# KiCad board EBAZ4205.kicad_pcb (continued)
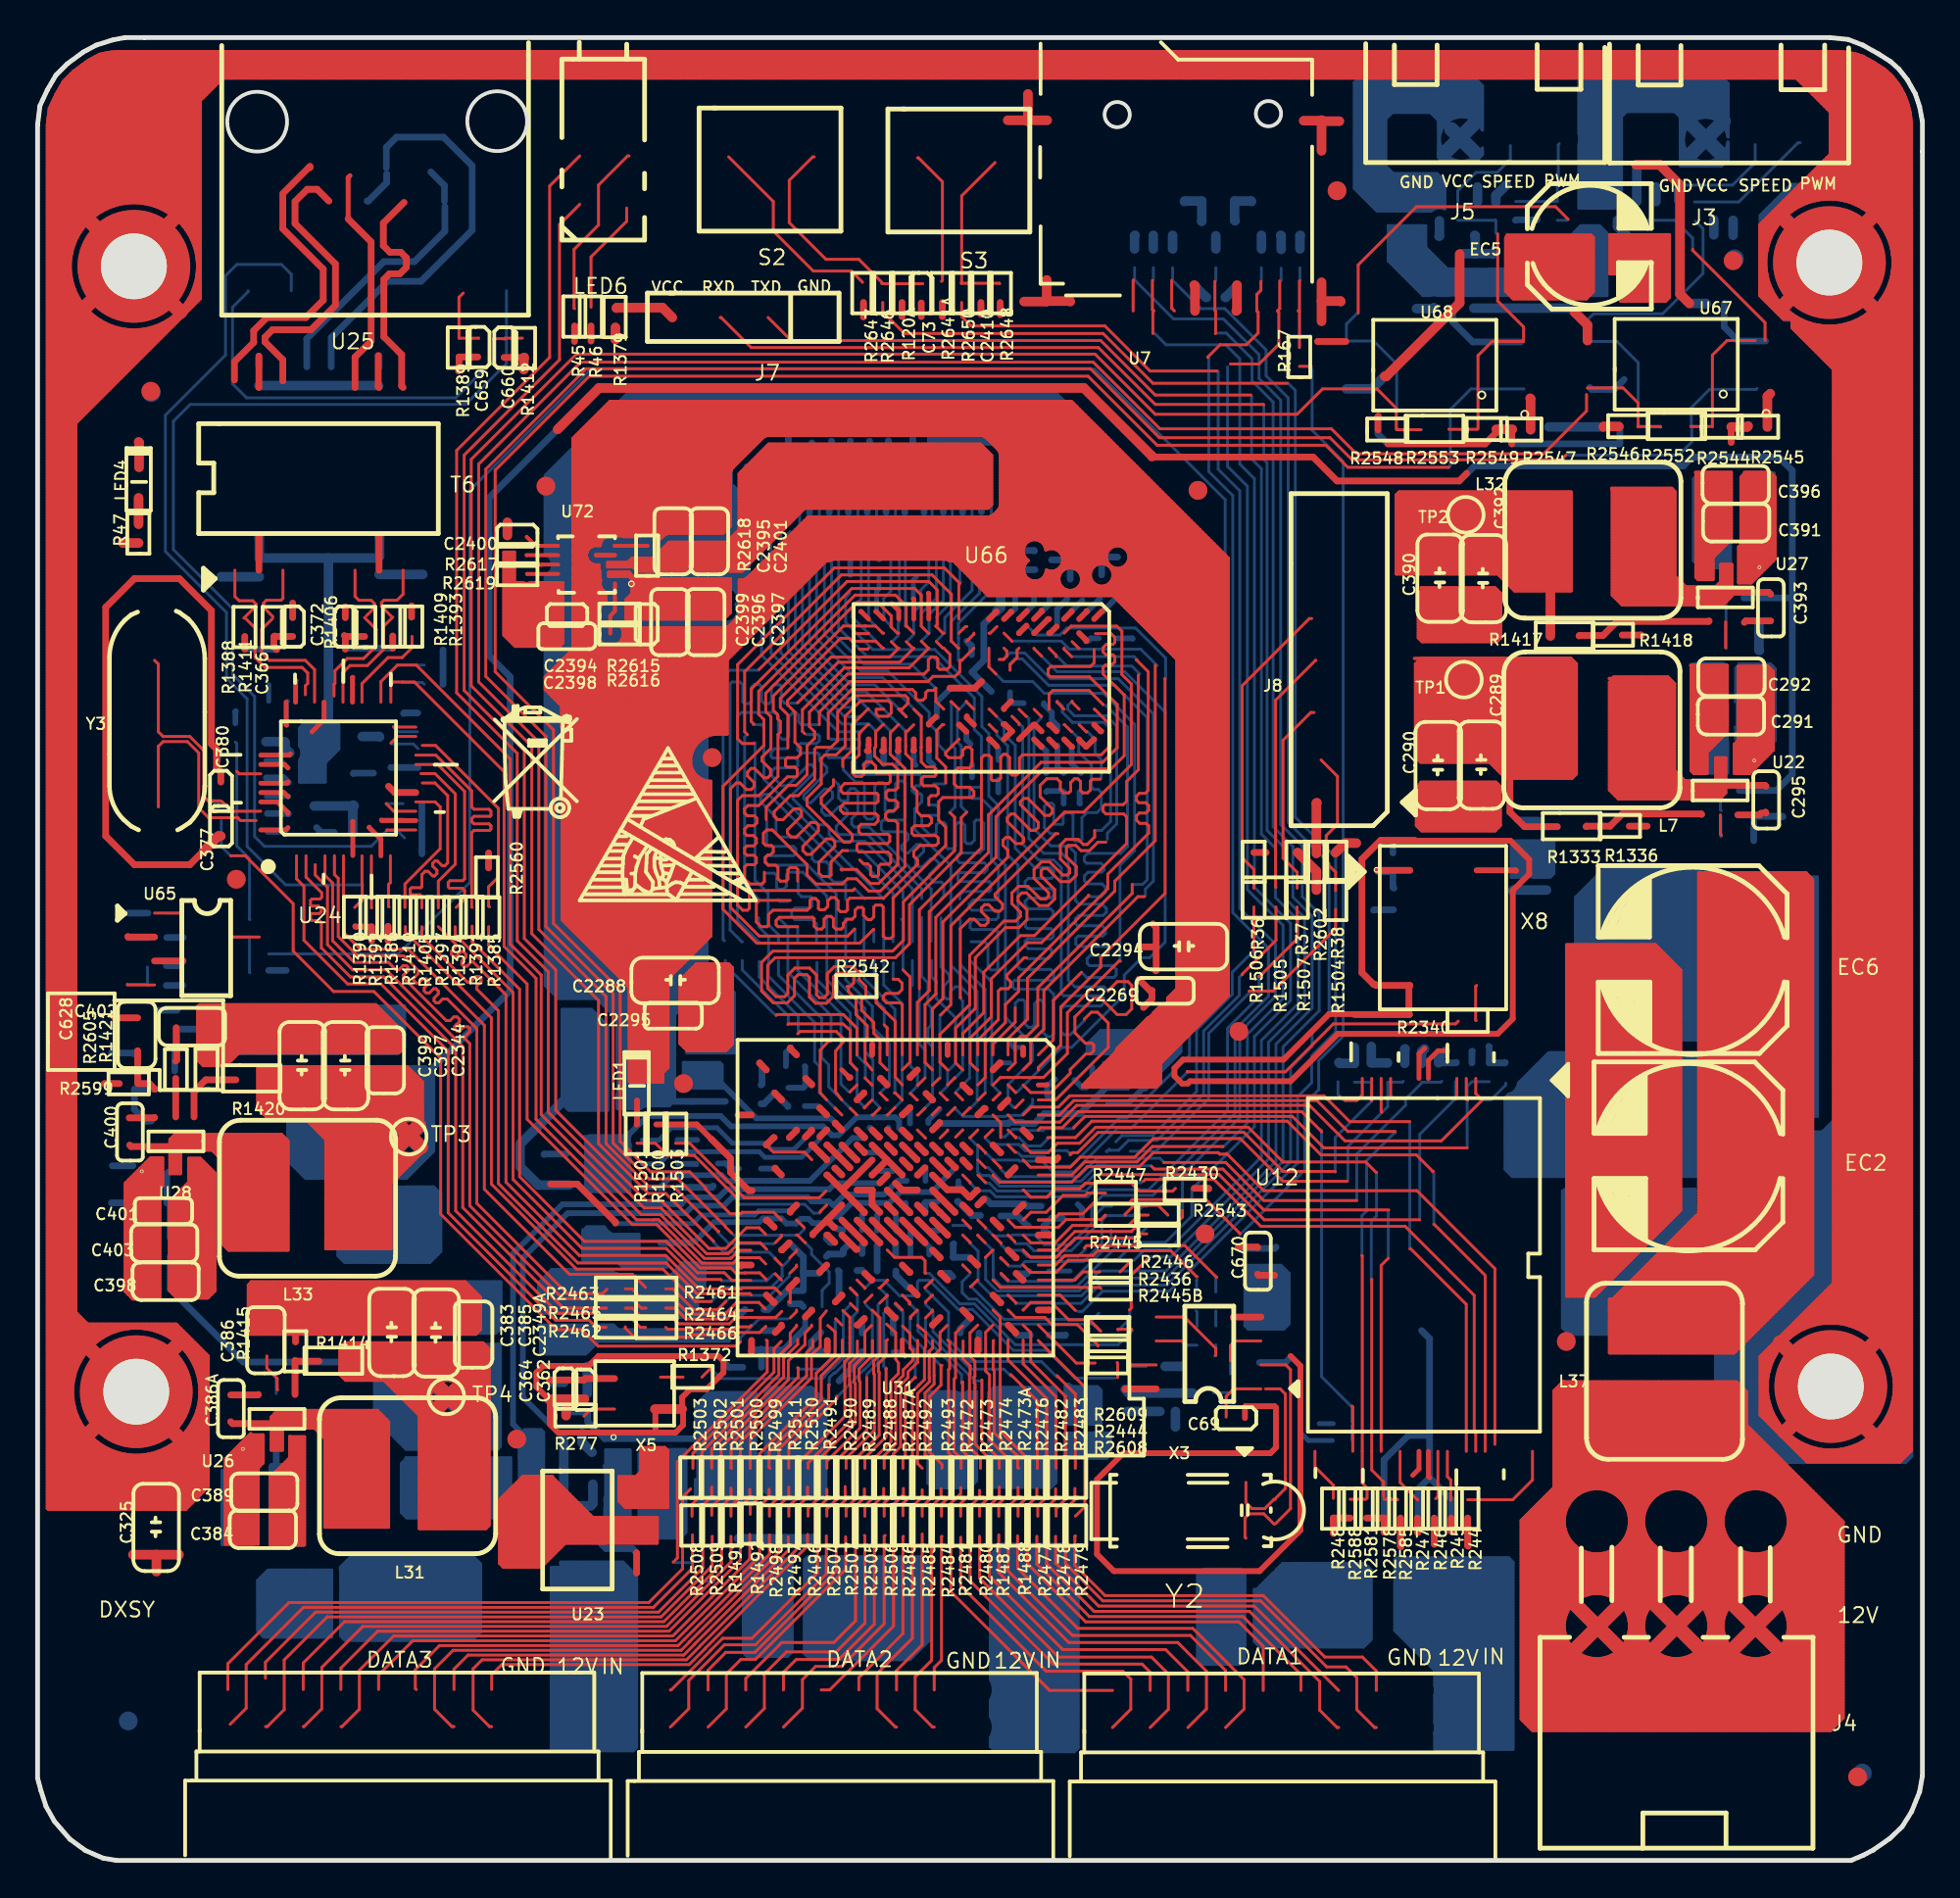
[diagram p0: board, top side]
## Routing (per net, layer and track width the routed paths; a pad name or vN(x,y) marks a point on that pad's centre or on a via; arc(x,y) is an arc through that point) (continued)
9.96,91.84 ; 46.32,66.08 46.32,66.87 ; 2.89,48.15 52.25,48.15 ; 44.39,37.61 45.21,37.61 ; 2.81,72.79 8.27,72.79 ; 57.12,22.84 57.12,25.53 ; 2.93,34.31 8.18,34.31 ; 9.28,84.98 74.24,84.98 ; 47.72,45.2 47.72,55.92 ; 46.96,0.54 46.96,6.56 ; 60.8,0.53 60.8,6.24 ; 52.65,7.13 56.27,7.13 ; 13.65,54.76 18.19,54.76 ; 70.33,69.86 70.33,70.61 ; 49.24,72.79 50.21,72.79 ; 25.37,0.54 25.37,6.66 ; 65.12,9.97 65.12,46.68 ; 5.87,77.74 64.28,77.74 ; 34.58,6.88 34.78,6.88 ; 9.28,86.51 58.01,86.51 ; 42.64,0.54 42.64,12.65 ; 48.51,72.16 48.89,72.16 ; 71.1,60.6 73.58,60.6 ; 52.04,41.27 52.04,44.98 ; 62.58,81.66 62.58,83.66 ; 9.49,7.81 9.49,8.42 ; 55.34,66.73 55.34,68.16 ; 46.07,29 46.07,29.46 ; 18.38,10 18.38,13.87 ; 8.35,33.28 8.35,33.59 ; 72.13,34.95 81.21,34.95 ; 60.77,86.63 62.34,86.63 ; 47.34,91.46 47.34,94.85 ; 44.34,37.49 45.26,37.49 ; 52.44,28.09 57.87,28.09 ; 27.78,27.73 27.78,75.8 ; 68.3,64.8 68.3,65.53 ; 75.43,73.93 75.67,73.93 ; 44.04,31.64 44.04,32.48 ; 43.85,51.84 57.87,51.84 ; 29.07,27.58 37.01,27.58 ; 38.52,7.51 38.86,7.51 ; 35.66,33.31 35.66,38.06 ; 68.86,71.01 69.79,71.01 ; 13.22,93.62 22.91,93.62 ; 21.43,25.47 21.43,64.06 ; 48.85,56.03 49.13,56.03 ; 27.88,75.84 84.12,75.84 ; 41.24,75.17 41.24,81.21 ; 26.31,92.35 56.69,92.35 ; 50.53,62.5 59.87,62.5 ; 26.64,66.61 26.64,96.32 ; 21.56,0.54 21.56,6.42 ; 6.32,0.55 6.32,17.5 ; 10.51,49.47 10.51,53.18 ; 50.68,37.36 51.06,37.36 ; 87.83,48.92 93.14,48.92 ; 14.19,84.17 14.19,89.22 ; 52.42,48.39 52.42,60.56 ; 75.66,0.53 75.66,6.24 79.66,6.24 ; 66.39,7.47 66.39,8.65 ; 53.94,33.65 53.94,38.13 ; 49.76,8.15 51.68,8.15 ; 67.15,14.48 67.15,14.73 ; 44.8,59.42 44.8,59.75 ; 56.48,57.94 56.48,59.72 ; 35.4,44.37 35.4,67.32 ; 45.69,33.28 45.69,34.1 ; 36.93,37.24 36.93,46.1 ; 38.7,63.65 38.7,72.16 ; 39.97,33.24 39.97,34.11 ; 29.05,33.68 29.05,40.24 ; 2.85,59.96 14.22,59.96 ; 32.18,91.33 36.05,91.33 ; 44.42,47.5 44.42,49.16 ; 51.91,9.98 51.91,22.3 ; 2.81,71.78 8.27,71.78 ; 44.04,38.82 44.04,39.7 ; 19.41,15.01 65.55,15.01 ; 17.62,52.11 17.62,70.75 ; 45.32,59.2 46.23,59.2 ; 72.61,7.75 72.61,8.37 ; 50.01,75.13 50.01,94.57 ; 89,62.29 89,69.96 ; 36.42,24.69 36.42,29.41 ; 9.3,95.27 43.38,95.27 ; 53.82,41.68 53.82,59.08 ; 54.71,60.31 54.71,61.51 ; 31.02,80.67 78.55,80.67 ; 47.53,72.28 47.82,72.28 ; 87.82,51.84 93.14,51.84 ; 45.26,75.2 49.12,75.2 ; 71.43,68.6 72.26,68.6 ; 80.57,34.31 73.88,34.31 73.88,36.64 ; 15.11,89.43 15.88,89.43 ; 23.08,9.04 23.24,9.04 ; 36.37,87.02 41.66,87.02 ; 46.57,74.82 46.81,74.82 ; 44.59,7.39 44.83,7.39 ; 44.33,82.06 47.77,82.06 ; 43.15,7.84 43.15,8.33 ; 58.77,8.23 58.77,7.89 57.64,7.89 ; 72.29,34.69 80.96,34.69 ; 72.63,69.87 88.27,69.87 ; 28.8,27.76 28.8,40.95 ; 65.45,84.22 65.73,84.22 ; 17.75,9.94 17.75,13.81 ; 46.03,35.96 49.28,35.96 ; 43.66,41.79 43.66,49.23 ; 45.89,46.76 46.76,46.76 ; 46.32,9.77 46.32,26.5 ; 59.02,51.67 59.02,81.05 ; 48.61,59.25 48.61,61.28 ; 66.64,0.53 66.64,6.35 ; 39.97,72.76 39.97,74.42 ; 43.91,33.26 43.91,34.12 ; 64.23,46.58 64.23,46.78 ; 52.04,9.95 52.04,22.28 ; 49.25,72.79 49.25,74.43 ; 52.93,89.48 52.93,94.27 ; 6.57,41.27 6.57,44.88 ; 62,9.55 62.43,9.55 ; 44.42,75.11 44.42,87.23 ; 13.06,9.16 13.21,9.16 ; 13.56,7.85 13.56,8.37 ; 70.04,36.34 70.98,36.34 ; 2,3.2 79.67,3.2 ; 46.83,46.78 46.83,58.76 ; 60.17,86.82 60.17,94.28 ; 84.87,52.6 86.39,52.6 ; 46.69,58.69 48.05,58.69 ; 9.28,84.09 10.45,84.09 ; 19.47,89.94 19.69,89.94 ; 90.65,44.2 90.65,77.15 ; 42.23,90.32 45.9,90.32 ; 88.49,60.25 88.49,61.51 ; 2.86,55.27 13.06,55.27 ; 66.14,7.23 66.14,8.89 ; 53.44,64.49 53.44,68.54 ; 56.89,66.19 67.18,66.19 ; 2.83,63.9 19.62,63.9 ; 70.12,8.78 70.35,8.78 ; 22.4,87.78 28,87.78 ; 44.67,41.15 44.67,41.27 ; 89.76,43.33 89.76,54.21 ; 24.99,84.48 24.99,90.78 ; 50.9,38.69 50.9,40.63 ; 44.46,7.64 44.95,7.64 ; 65.96,7.64 66.49,7.64 ; 59.76,47.65 93.15,47.65 ; 52,64.54 55.7,64.54 ; 27.15,0.54 27.15,19.75 ; 48.61,37.19 48.61,37.36 ; 40.23,52.45 40.23,58.97 ; 46.45,65.2 46.45,65.4 ; 51.61,37.87 51.69,37.87 ; 49.5,38.85 49.5,39.68 ; 46.2,38.8 46.2,40.53 ; 61.65,7.89 62.78,7.89 ; 62.33,87.14 72.09,87.14 ; 44.33,32.66 45.28,32.66 ; 36.14,89.43 41.89,89.43 ; 51.53,65.13 51.53,87.13 ; 28.42,81.21 28.42,87.33 ; 31.97,91.51 31.97,96.32 ; 72.87,32.91 72.87,38.96 ; 46.36,47.65 55.42,47.65 ; 36.5,33.8 36.7,33.8 ; 23.43,84.09 24.2,84.09 ; 67.66,57.13 67.66,58 ; 38.07,9.92 38.07,26.69 ; 72.11,7.39 72.37,7.39 ; 43.18,58.44 67.23,58.44 ; 36.88,45.49 51.65,45.49 ; 72.24,31.9 79.56,31.9 ; 51.63,36.98 58.88,36.98 ; 34.56,7.39 34.8,7.39 ; 75.28,61.74 75.64,61.74 ; 42.52,12.59 42.93,12.59 ; 73.38,17.84 73.38,27.92 ; 60.11,6.88 60.3,6.88 ; 23.15,84.35 24.48,84.35 ; 67.53,69.72 67.53,70.75 ; 9.29,91.46 10.17,91.46 ; 43.28,61.73 43.28,65.08 ; 45.31,29.85 45.31,32.63 ; 52.29,29.36 54.85,29.36 ; 42.9,30.65 42.9,36.66 ; 70,8.53 70.47,8.53 ; 23.28,26.44 23.73,26.44 ; 49.87,31.77 50.23,31.77 ; 63.09,31.25 63.09,37.61 ; 49.75,34.85 49.75,35.72 ; 36.55,45.73 36.55,45.95 ; 48.48,34.65 48.48,36.73 ; 62.96,38.38 62.96,78.93 ; 22.36,88.92 28.33,88.92 ; 50.64,60.17 50.64,60.81 ; 12.29,8.04 12.29,8.19 ; 14.19,10.03 14.19,16.75 ; 50.52,75.12 50.52,90.16 ; 50.08,6.24 51.37,6.24 ; 67.96,7.64 68.5,7.64 ; 52,61.36 54.05,61.36 ; 47.34,33.28 47.34,34.11 ; 38.16,8.28 39.22,8.28 ; 43.15,0.54 43.15,6.36 ; 73.51,70.12 88.21,70.12 ; 59.66,81.52 59.66,83.89 ; 20.92,9.62 20.92,24.62 ; 50.87,63.52 49.25,63.52 49.25,62.01 ; 47.05,25.93 50.08,25.93 ; 51.53,64.09 51.53,64.67 ; 19.17,59.33 37.75,59.33 ; 54.31,65.3 93.1,65.3 ; 68.17,59.76 68.17,60.44 ; 9.11,0.55 9.11,17.85 ; 86.46,51.1 86.46,51.76 ; 68.77,70.89 69.88,70.89 ; 18.13,80.49 18.13,87.61 ; 36.58,9.29 36.78,9.29 ; 48.86,65.17 48.86,67.64 ; 49.12,75.2 49.12,94.67 ; 75.92,9.7 75.92,37.57 ; 70.14,6.88 70.33,6.88 ; 74.9,43.49 74.9,60.57 ; 10.12,20.34 25.91,20.34 ; 64.87,9.91 64.87,46.23 ; 64.97,78 89.78,78 ; 44.42,66.05 44.42,66.14 ; 11.53,94.41 11.53,96.32 ; 89.25,42.83 89.25,54.39 ; 18.76,8.4 19.54,8.4 ; 38.9,55.77 48.16,55.77 ; 38.45,59.67 38.45,60.25 ; 49.37,34.78 49.37,35.82 ; 21.32,72.16 38.71,72.16 ; 49.88,40.35 49.88,62.56 ; 34.51,81.55 35.59,81.55 ; 44.55,49.16 44.55,47.52 45.67,47.52 ; 47.47,91.36 47.47,94.84 ; 45.18,75.22 45.18,86.72 ; 2.87,53.11 10.11,53.11 ; 48.26,41.17 48.62,41.17 ; 44.23,37.36 45.37,37.36 ; 21.4,90.57 27.94,90.57 ; 7.84,34.13 7.84,46.2 ; 51.39,38.88 51.91,38.88 ; 48.44,39.26 54.84,39.26 ; 47.09,34.85 47.09,36.51 ; 53.69,88.99 53.69,94.19 ; 1.92,11.2 79.64,11.2 ; 46.07,89.43 46.07,90 ; 48.86,46.24 48.86,55.54 ; 2.07,17.29 13.66,17.29 ; 4.98,76.86 70.96,76.86 ; 56.74,60.47 56.74,61.13 ; 2.82,66.95 36.35,66.95 ; 44.17,9.88 44.17,25.31 ; 26,8.04 26,8.19 ; 63.34,26.97 63.34,37.71 ; 66.22,86.89 67.13,86.89 ; 26,65.66 26,66.13 ; 8.35,29.37 8.35,30.19 ; 39.29,72.66 39.78,72.66 ; 49.25,60.43 49.25,61.29 ; 60.93,0.53 60.93,6.19 ; 67.27,86.89 72.34,86.89 ; 5.1,48.92 9.96,48.92 ; 44.55,41.05 44.55,41.37 ; 52.34,25.17 57.49,25.17 ; 76.3,61.65 76.3,62.02 ; 47.59,10 47.59,28.68 ; 70.96,62.21 70.96,63.06 ; 60.42,17.87 60.42,19.33 ; 18.89,15.85 18.89,39.45 ; 36.54,6.75 36.83,6.75 ; 73.12,32.93 73.12,38.94 ; 48.23,43.77 48.23,44.66 ; 42.78,89.56 69.91,89.56 ; 58.01,84.36 58.01,86.46 ; 21.32,71.52 67.15,71.52 ; 87.79,49.93 93.14,49.93 ; 68.74,67.08 69.91,67.08 ; 45.76,64.66 45.89,64.66 ; 69.95,36.46 69.95,40.34 ; 45.56,41.24 45.56,46.51 ; 50.8,38.37 50.88,38.37 ; 24.68,7.89 25.65,7.89 ; 50.58,9.42 50.86,9.42 ; 45.15,40.28 45.29,40.28 ; 64.95,78.13 89.66,78.13 ; 70.71,50.61 70.71,55.37 ; 9.29,92.1 9.87,92.1 ; 27.66,35.83 44.51,35.83 ; 8.35,33.94 8.35,34.1 ; 68.6,64.66 70.05,64.66 ; 22.29,87.65 28.07,87.65 ; 78.71,53.07 78.71,55.01 ; 40.5,61.23 43.08,61.23 ; 67.79,9.79 67.79,51.36 ; 71.34,53.07 71.34,55.37 ; 52.42,22.5 55.87,22.5 ; 15.97,10.01 15.97,70.75 ; 31.34,0.54 31.34,87.23 ; 53.65,63.77 53.95,63.77 ; 13,9.42 13.26,9.42 ; 45.9,38.76 46.15,38.76 ; 67.91,67.35 67.91,68.05 ; 26.95,20.34 33,20.34 ; 47.21,61.2 47.21,64.55 ; 25.91,65.17 26.15,65.17 ; 9.43,18.18 13.14,18.18 ; 57.04,21.48 79.6,21.48 ; 6.45,45.64 6.45,78.31 ; 1.92,11.96 79.64,11.96 ; 67.91,64.81 67.91,65.52 ; 45.1,39.77 45.37,39.77 ; 42.01,13.69 42.01,14.13 ; 35.91,45.73 35.91,67.34 ; 40.48,38.64 40.48,43.61 ; 71.47,71.27 72.35,71.27 ; 16.48,91.03 16.48,96.32 ; 61.06,88.69 61.06,94.58 ; 16.35,88.63 16.35,89.19 ; 39.47,9.97 39.47,29.41 ; 41.88,13.1 41.88,24.87 ; 51.91,31.58 51.91,32.53 ; 51.31,60.35 54.74,60.35 ; 67.15,71.6 67.15,83.68 ; 2.93,34.82 8.44,34.82 ; 45.91,29.36 46.15,29.36 ; 50.52,41.23 50.52,62.48 ; 72.56,72.79 88.33,72.79 ; 9.49,0.55 9.49,6.44 ; 35.78,24.93 35.78,25.84 ; 67.61,13.99 79.63,13.99 ; 48.42,6.5 49.01,6.5 ; 45.18,72.79 45.18,74.43 ; 52.09,9.93 56.89,9.93 ; 14.38,17.17 59.46,17.17 ; 62.53,36.09 69.31,36.09 69.31,9.97 ; 83.66,37.35 83.66,50.64 ; 24.48,81.32 24.48,82.75 ; 11.93,90.7 13.77,90.7 ; 71.52,36.34 74.06,36.34 ; 25.53,82.82 33.17,82.82 ; 67.47,0.53 79.68,0.53 ; 41.24,9.88 41.24,12.4 ; 66.47,17.8 71.43,17.8 ; 1.91,9.16 9.2,9.16 ; 69.31,40.77 69.31,96.07 ; 2.92,38.5 18.92,38.5 ; 46.96,30.77 46.96,30.98 ; 68.91,71.9 69.74,71.9 ; 58.79,48.28 64.36,48.28 ; 53.82,59.47 53.82,60.87 ; 42.77,53.96 42.77,57.84 ; 71.1,64.66 89.45,64.66 ; 55.47,0.53 55.47,28.92 ; 73.38,72.71 73.38,82.21 ; 63.9,9.67 64.53,9.67 ; 44.39,32.91 45.2,32.91 ; 13.43,60.77 13.43,70.75 ; 36.14,29.48 36.33,29.48 ; 14.96,7.56 14.96,8.66 ; 44.93,65.13 44.93,65.48 ; 89.12,72.43 89.12,78.13 ; 53.94,88.5 53.94,94.16 ; 29.78,88.16 30.55,88.16 ; 13.12,64.41 15.99,64.41 ; 49.75,37.26 49.75,38.1 ; 51.49,64.16 53.04,64.16 ; 13.05,7.25 13.05,8.98 ; 41.88,9.98 41.88,12.34 ; 24.1,8.05 24.1,8.17 ; 65.63,6.24 66.82,6.24 ; 52.67,89.52 52.67,94.29 ; 77.44,43.66 77.44,60.8 ; 50.47,7.64 50.97,7.64 ; 75.15,74.54 75.15,84.07 ; 67.28,16.19 67.28,55.82 ; 43.62,36.85 46.03,36.85 ; 69.31,36.21 69.31,36.36 ; 18.87,56.03 47.06,56.03 ; 37.62,34.69 39.68,34.69 ; 71.38,31.01 79.56,31.01 ; 58.64,9.79 58.64,31.78 ; 25.75,84.02 25.75,91.22 ; 49.89,34.18 73.17,34.18 ; 67.35,14.75 79.63,14.75 ; 60.29,9.19 60.29,16.12 ; 58.39,48.96 58.39,51.58 ; 73.08,42.95 74.61,42.95 ; 89.76,72.23 89.76,75.33 ; 68.3,69.87 68.3,70.6 ; 9.28,85.36 73.86,85.36 ; 10.94,61.11 43.16,61.11 ; 68.93,68.6 69.72,68.6 ; 48.57,57.04 67.52,57.04 ; 41.75,72.56 41.75,74.7 ; 13.43,20.18 13.43,47.04 ; 13.03,25.93 22.78,25.93 ; 68.93,66.79 68.93,68.61 ; 17.37,14.41 17.37,15.22 ; 11.53,76.56 11.53,79.79 ; 44.9,38.12 45.5,38.12 ; 10,28.54 10,48.87 ; 16.99,0.55 16.99,6.74 ; 2.81,70.63 11.43,70.63 ; 71.64,52.47 78.34,52.47 ; 69.82,43.57 69.82,53.98 ; 52.34,28.34 57.84,28.34 ; 52.42,7.71 52.42,8.46 ; 70.86,32.28 71.55,32.28 ; 2.83,65.17 25.43,65.17 ; 43.53,53.62 43.53,59.79 ; 45.82,30.01 45.82,32.58 ; 39.09,45.3 39.09,55.16 ; 48.19,7.89 49.24,7.89 ; 13.04,8.91 13.23,8.91 ; 66.67,30.5 79.57,30.5 ; 48.1,0.53 48.1,6.26 ; 88.66,62.12 88.77,62.12 ; 36.08,26.56 40.25,26.56 ; 58.54,52.22 86.46,52.22 ; 67.15,58.93 67.15,61.27 ; 51.02,33.97 51.02,36.55 ; 54.2,69.53 54.2,94.13 ; 76.3,70.76 88.26,70.76 ; 57.17,22.25 79.6,22.25 ; 56.74,7.88 56.74,8.25 ; 17.88,15.81 17.88,70.19 ; 55.3,29.61 57.93,29.61 ; 68.73,55.65 69.65,55.65 ; 48.58,74.7 48.85,74.7 ; 26.39,20.16 26.39,64.52 ; 13.05,20.2 13.05,25.4 ; 46.96,61.24 46.96,64.51 ; 47.21,46.67 47.21,55.84 ; 49.79,40.41 50.33,40.41 ; 15.06,9.16 15.22,9.16 ; 36.82,43.33 39.66,43.33 ; 22.89,9.67 23.43,9.67 ; 33.5,16.09 33.5,19.34 ; 2.82,67.08 36.29,67.08 ; 44.94,30.12 46.3,30.12 ; 43.4,52.11 43.4,53.05 ; 52.18,61.11 52.29,61.11 ; 28.96,6.62 32.88,6.62 ; 59.93,6.5 60.49,6.5 ; 56.1,44.07 56.1,51.02 ; 38.55,9.42 38.83,9.42 ; 46.83,59.4 46.83,60.51 ; 71.34,61.89 71.34,63.38 ; 21.32,72.03 38.82,72.03 ; 70.45,7.57 70.45,8.55 ; 48.61,43.77 48.61,55.39 ; 18.51,59.74 18.51,64.46 ; 36.93,66.8 36.93,66.89 ; 72.6,38.63 84.97,38.63 ; 20.44,6.24 21.87,6.24 ; 47.21,31.67 47.21,32.51 ; 25.75,93.93 25.75,96.32 ; 26.33,92.6 56.56,92.6 ; 29.81,33.68 29.81,80.73 ; 66.9,16 66.9,83.77 ; 42.58,8.78 42.82,8.78 ; 24.64,80.92 28.19,80.92 ; 71.09,67.2 93.1,67.2 ; 42.77,58.61 42.77,72.23 ; 44.17,40.45 44.17,41.28 ; 48.36,0.53 48.36,6.43 ; 50.77,66.77 50.77,89.86 ; 21.48,89.81 28.7,89.81 ; 27.53,7.79 27.53,8.43 ; 19.4,15.91 19.4,37.72 ; 42.05,6.24 43.35,6.24 ; 51.5,31.77 57,31.77 ; 69,71.52 69.65,71.52 ; 57.48,38.63 67.96,38.63 ; 70.07,62.15 70.07,63.12 ; 61.95,7.64 61.95,8.48 ; 9.75,9.95 9.75,18.51 ; 71.47,68.73 72.22,68.73 ; 76.04,72.48 76.04,73.43 ; 62.05,31.26 62.42,31.26 ; 52.63,6.88 56.29,6.88 ; 19.27,39.2 19.27,39.58 ; 26.71,6.37 27.64,6.37 ; 45.44,38.86 45.44,39.73 ; 10.12,19.71 12.85,19.71 ; 64.99,9.95 64.99,46.66 ; 68.92,60.98 69.73,60.98 ; 63.09,26.67 63.09,26.81 ; 38.96,38.79 38.96,40.56 ; 68.42,39.16 68.42,51.52 ; 70.45,9.55 70.45,31.81 ; 65.09,48.28 93.15,48.28 ; 19,15.77 19.16,15.77 ; 71.43,71.14 72.22,71.14 ; 58.77,36.49 58.77,45.01 ; 52.44,40.91 53.65,40.91 ; 35.78,68.08 35.78,81.37 ; 79.47,0.52 79.47,79.74 ; 76.7,62.38 88.06,62.38 ; 56.74,36.81 56.74,37.52 ; 46.96,41.94 46.96,46.01 ; 7.21,0.55 7.21,17.51 ; 2.9,43.07 7.04,43.07 ; 52.4,45.49 58.47,45.49 ; 46.96,34.79 46.96,36.58 ; 44.07,9.93 45.34,9.93 ; 45.94,47.78 45.94,59.83 ; 37.72,27.83 51.74,27.83 ; 49.47,67.97 54.63,67.97 ; 37.94,9.97 37.94,26.68 ; 9.28,87.65 14.84,87.65 ; 60.13,9.16 60.29,9.16 ; 25.73,91.21 28.06,91.21 ; 27.36,27.58 27.53,27.58 ; 46.51,9.55 46.91,9.55 ; 66.52,9.65 66.52,13.1 ; 5.24,77.11 65.1,77.11 ; 87.8,52.85 93.13,52.85 ; 2.88,50.06 4.66,50.06 ; 27.78,76.55 27.78,96.32 ; 40.48,33.14 40.48,33.39 ; 8.86,29.37 8.86,29.95 ; 41.26,74.44 42.03,74.44 ; 50.52,38.88 50.52,39.64 ; 27.02,27.71 27.02,35.72 ; 27.08,8.91 27.27,8.91 ; 10.12,27.96 37.24,27.96 ; 68.55,59.63 68.55,60.57 ; 2.83,64.28 10.68,64.28 ; 71.23,72.16 72.18,72.16 ; 19.42,90.44 19.74,90.44 ; 44.17,72.82 44.17,74.43 ; 52.55,48.44 52.55,60.51 ; 13.71,56.54 18.28,56.54 ; 2.37,2.81 79.67,2.81 ; 81.63,35.97 81.63,74.55 ; 40.3,42.95 69.86,42.95 ; 40.81,51.96 43.16,51.96 ; 64.49,47.23 64.49,48.11 ; 13.06,7.13 13.21,7.13 ; 67.91,7.7 67.91,8.43 ; 43.39,41.3 43.85,41.3 ; 3.78,1.38 3.78,17.48 ; 73.75,8.28 74.74,8.28 ; 50.77,38.69 50.77,39.83 ; 36.8,0.54 36.8,6.83 ; 39.85,75.12 39.85,95.64 ; 70.35,57.93 68.3,57.93 68.3,57.2 ; 90.01,43.58 90.01,64.2 ; 66.14,30.78 66.14,30.91 ; 51.28,63.43 51.28,63.54 ; 60.04,9.46 60.04,16.17 ; 36.58,6.88 36.79,6.88 ; 49.08,37.99 50.22,37.99 ; 5.56,0.55 5.56,17.49 ; 44.39,41.8 44.5,41.8 ; 2.23,17.42 13.77,17.42 ; 43.78,30.84 43.78,30.94 ; 49.97,32.28 50.1,32.28 ; 43.81,87.52 44.24,87.52 ; 40.95,38.12 43.75,38.12 ; 19.19,64.79 21.43,64.79 ; 22.56,88.16 27.92,88.16 ; 41.5,34.85 41.5,38.16 ; 65.56,54 69.81,54 ; 12.42,6.24 13.85,6.24 ; 18.35,79.78 61.95,79.78 ; 40.61,29.2 40.61,32.58 ; 81.5,75.15 81.5,78.18 ; 55.85,33.02 55.85,44.41 ; 55.99,32.28 57.13,32.28 ; 64.1,9.32 64.1,32.98 ; 73.12,0.53 73.12,6.16 ; 57.63,0.53 57.63,6.25 ; 7.84,50.75 7.84,79.7 ; 87.73,41.34 87.73,48.75 ; 45.44,33.26 45.44,34.14 ; 63.95,7.64 64.49,7.64 ; 2.92,39.64 18.39,39.64 ; 61.16,20.47 73.69,20.47 ; 47.34,72.74 47.34,74.43 ; 52.55,89.53 52.55,94.31 ; 49.25,25.84 49.25,28.77 ; 36.35,23.64 51.7,23.64 ; 33.75,83.05 33.75,96.28 ; 1.92,11.7 79.64,11.7 ; 49.37,62.04 49.37,63.62 ; 58.64,51.97 58.64,62.73 ; 39.59,29.72 39.59,31.26 ; 51.23,61.23 51.64,61.23 ; 2.9,45.49 6.14,45.49 ; 9.35,96.03 36.14,96.03 ; 70.09,36.09 82.38,36.09 ; 20.66,89.17 21.28,89.17 ; 39.61,40.79 42.84,40.79 ; 87.09,51.07 87.09,51.75 ; 61.95,9.62 61.95,30.77 ; 43.02,53.03 43.02,53.36 ; 55.31,59.08 67.18,59.08 ; 13.04,9.29 13.23,9.29 ; 2.91,41.8 28.48,41.8 ; 19.77,14.5 42.11,14.5 ; 66.14,9.21 66.14,17.37 ; 49.08,40.53 50.19,40.53 ; 44.96,64.66 45.09,64.66 ; 57.25,54.38 69.85,54.38 ; 40.59,9.29 40.79,9.29 ; 12.16,80.03 17.74,80.03 ; 60.32,37.36 83.67,37.36 ; 45.56,9.99 45.56,29.27 ; 43.34,12.72 79.63,12.72 ; 68.8,69.54 68.8,70.93 ; 29.61,90.19 30.72,90.19 ; 29.56,40.79 29.56,80.5 ; 57.85,69.49 67.31,69.49 ; 63.85,26.72 63.85,32.98 ; 73.31,32.28 79.56,32.28 ; 59.02,9.96 59.02,31.56 ; 5.19,49.17 9.88,49.17 ; 10.12,25.42 12.43,25.42 ; 46.34,47.14 55.18,47.14 ; 18.38,56.61 18.38,70.12 ; 21.97,64.41 43.39,64.41 ; 70.81,32.41 71.71,32.41 ; 66.88,78.51 80.7,78.51 ; 88.93,69.87 89.06,69.87 ; 88.23,72.56 88.23,73.14 ; 65.63,0.53 65.63,6.24 ; 16.61,64.79 18.61,64.79 ; 38.28,27.33 60.69,27.33 ; 17.07,9.04 17.22,9.04 ; 10,76.56 10,91.74 ; 38.83,72.68 38.83,74.5 ; 46.42,26.56 47.8,26.56 ; 51.79,37.99 51.79,38.22 ; 69.44,36.44 69.44,36.58 ; 71.34,59.35 71.34,60.85 ; 46.32,89.3 46.32,89.79 ; 38.57,8.78 38.81,8.78 ; 40.32,59.2 44.59,59.2 ; 6.54,40.79 19.31,40.79 ; 71.6,32.33 71.6,34.37 ; 48.35,37.1 48.53,37.1 ; 46.71,88.94 46.71,89.65 ; 23.59,9.83 23.59,23.86 ; 74.13,8.78 74.36,8.78 ; 1.89,6.12 79.66,6.12 ; 78.33,52.86 78.33,75.03 ; 71.22,59.5 71.22,60.7 ; 56.04,44.98 91.44,44.98 ; 85.81,51.71 86.5,51.71 ; 58.92,63.9 59.19,63.9 ; 50.52,25.87 50.52,31.71 ; 2.94,33.29 8.37,33.29 ; 84.81,52.88 84.81,78.16 ; 21.32,75.97 27.34,75.97 ; 13.18,0.55 13.18,17.44 ; 39.58,38.37 40.48,38.37 ; 65.4,77.11 71.03,77.11 ; 42.52,74.82 42.73,74.82 ; 80.78,76.47 82.97,76.47 ; 46.83,65.24 46.83,65.36 ; 38.32,0.54 38.32,6.43 ; 48.74,34.83 48.74,36.5 ; 46.48,27.07 62.36,27.07 ; 41.88,25.48 41.88,31.03 ; 11.4,64.6 11.4,70.33 ; 44.67,59.33 44.67,59.71 ; 42.3,81.81 43.75,81.81 ; 50.65,9.04 50.8,9.04 ; 72.74,72.7 72.74,86.49 ; 47.85,45.35 47.85,60.46 ; 60.79,86.51 62.31,86.51 ; 12.92,25.29 21.18,25.29 ; 12.92,76.56 12.92,82.82 ; 24.06,24.53 35.35,24.53 ; 22.68,24.66 22.8,24.66 ; 34.38,6.5 34.98,6.5 ; 31.05,33.68 35.9,33.68 ; 55.98,60.44 55.98,64.53 ; 73.43,72.66 88.26,72.66 ; 19.89,14.24 42,14.24 ; 67.64,6.24 68.82,6.24 ; 60.32,37.1 83.41,37.1 ; 29.77,90.83 30.55,90.83 ; 18.77,14.92 18.77,15.1 ; 49.88,37.18 49.88,38.17 ; 34.7,82.19 35.4,82.19 ; 58.9,0.53 58.9,6.2 ; 62.71,27.27 62.71,30.66 ; 47.47,72.63 47.47,74.51 ; 9.3,95.02 45.8,95.02 ; 37.6,91.21 40.5,91.21 ; 19.03,59.96 37.38,59.96 ; 66.04,7.51 66.41,7.51 ; 40.1,49.83 40.1,50.71 ; 15.84,76.56 15.84,87.47 ; 23.34,9.52 23.34,23.81 ; 64.87,77.56 64.87,77.74 ; 72,17.29 73.09,17.29 ; 74.69,33.8 80.05,33.8 ; 48.08,62.12 48.27,62.12 ; 71.98,39.08 71.98,75.03 ; 58.34,92.6 64.63,92.6 ; 29.31,40.82 29.31,80.51 ; 88.87,73.59 88.87,78.13 ; 16.86,88.96 16.86,89.24 ; 21.18,90.83 23.8,90.83 ; 2.87,53.23 9.94,53.23 ; 73.5,69.69 73.5,70.12 ; 55.72,65.27 55.72,93.97 ; 64.11,8.78 64.33,8.78 ; 66.52,29.89 66.52,30.1 ; 73.38,82.99 73.38,85.85 ; 78.8,75.59 83.83,75.59 ; 66.44,86.76 66.91,86.76 ; 25.62,7.87 25.62,8.35 ; 70.2,0.53 70.2,23.87 ; 2.85,58.19 10.27,58.19 ; 70.33,35.5 70.33,42.97 ; 61.52,41.8 88.2,41.8 ; 43.5,41.42 43.7,41.42 ; 2.8,72.92 8.27,72.92 ; 8.61,29.37 8.61,29.94 ; 67.67,95.91 69.86,95.91 ; 72.25,34.44 73.35,34.44 ; 4.92,29.37 4.92,46.26 ; 36.16,9.87 36.16,23.44 ; 70.9,70.63 72.3,70.63 ; 61.06,27.92 61.06,34.23 ; 55.98,55.11 55.98,59.71 ; 18.51,58.44 18.51,59.21 ; 57.28,21.86 79.6,21.86 ; 48.23,34.01 48.23,36.52 ; 68.85,64.41 69.8,64.41 ; 9.47,56.54 12.94,56.54 ; 65.49,84.09 65.71,84.09 ; 41.24,72.76 41.24,74.43 ; 68,8.53 68.47,8.53 ; 72.23,71.15 72.23,71.5 ; 63.62,79.27 67.48,79.27 ; 47.09,9.76 47.09,25.54 ; 50.03,28.85 55.11,28.85 ; 65.99,8.53 66.46,8.53 ; 58.77,93.93 58.77,86.63 59,86.63 ; 60.8,42.13 60.8,87.98 ; 53.43,69.62 53.91,69.62 ; 54.19,33.42 63.59,33.42 ; 12.86,94 23.25,94 ; 18.38,8.02 18.38,8.2 ; 74.9,0.53 74.9,6.22 ; 51.26,59.58 53.23,59.58 ; 72.99,82.7 72.99,86.23 ; 61.18,9.98 61.18,16.82 ; 2.91,40.28 18.37,40.28 ; 57.12,54.53 57.12,69.21 ; 59.87,63.65 67.18,63.65 ; 73.5,70.51 89.23,70.51 ; 41.75,8.03 41.75,8.15 ; 16.23,88.87 16.23,89.22 ; 16.28,88.79 16.73,88.79 ; 57.3,46.5 64.15,46.5 ; 20.92,8.58 20.92,7.64 21.39,7.64 ; 73.12,39.71 73.12,40.39 ; 74.52,9.62 74.52,33.52 ; 72.49,40.84 72.49,42.93 ; 9.28,84.86 74.37,84.86 ; 12.1,83.33 12.6,83.33 ; 62.71,35.84 62.71,37.86 ; 53.82,60.93 53.82,63.98 ; 33.62,68.12 33.62,81.21 ; 70.07,67.21 70.07,68.19 ; 42.82,32.91 43.61,32.91 ; 67.79,69.85 67.79,70.62 ; 17.11,55.5 17.11,70.75 ; 10.12,20.47 33.02,20.47 ; 17.37,76.56 17.37,87.41 ; 8.3,80.16 11.39,80.16 ; 47,59.08 47.94,59.08 ; 35.4,68.09 35.4,82.03 ; 26.78,9.8 27.57,9.8 ; 62.09,31.01 62.36,31.01 ; 74.52,34.18 74.52,36.37 ; 2.89,48.41 52.46,48.41 ; 34.19,16.02 66.24,16.02 ; 68.55,23.43 68.55,38.45 ; 62.05,8.66 62.38,8.66 ; 61.4,88.41 70.82,88.41 ; 2.92,39.77 